# Altium PCB CATS-FAT..PcbDoc (part 1 of 2)
Units mm, origin at the board's own origin, x right, y up, seen from the top; angles counter-clockwise.
Board outline 100 x 33 mm, 4 copper layers (Top Layer, Mid Layer 1, Mid Layer 2, Bottom Layer), stack 1.57 mm thick; 163 components, 100 nets, 630 pads, 225 vias.
Unrouted connection lines stored in the file: 104.
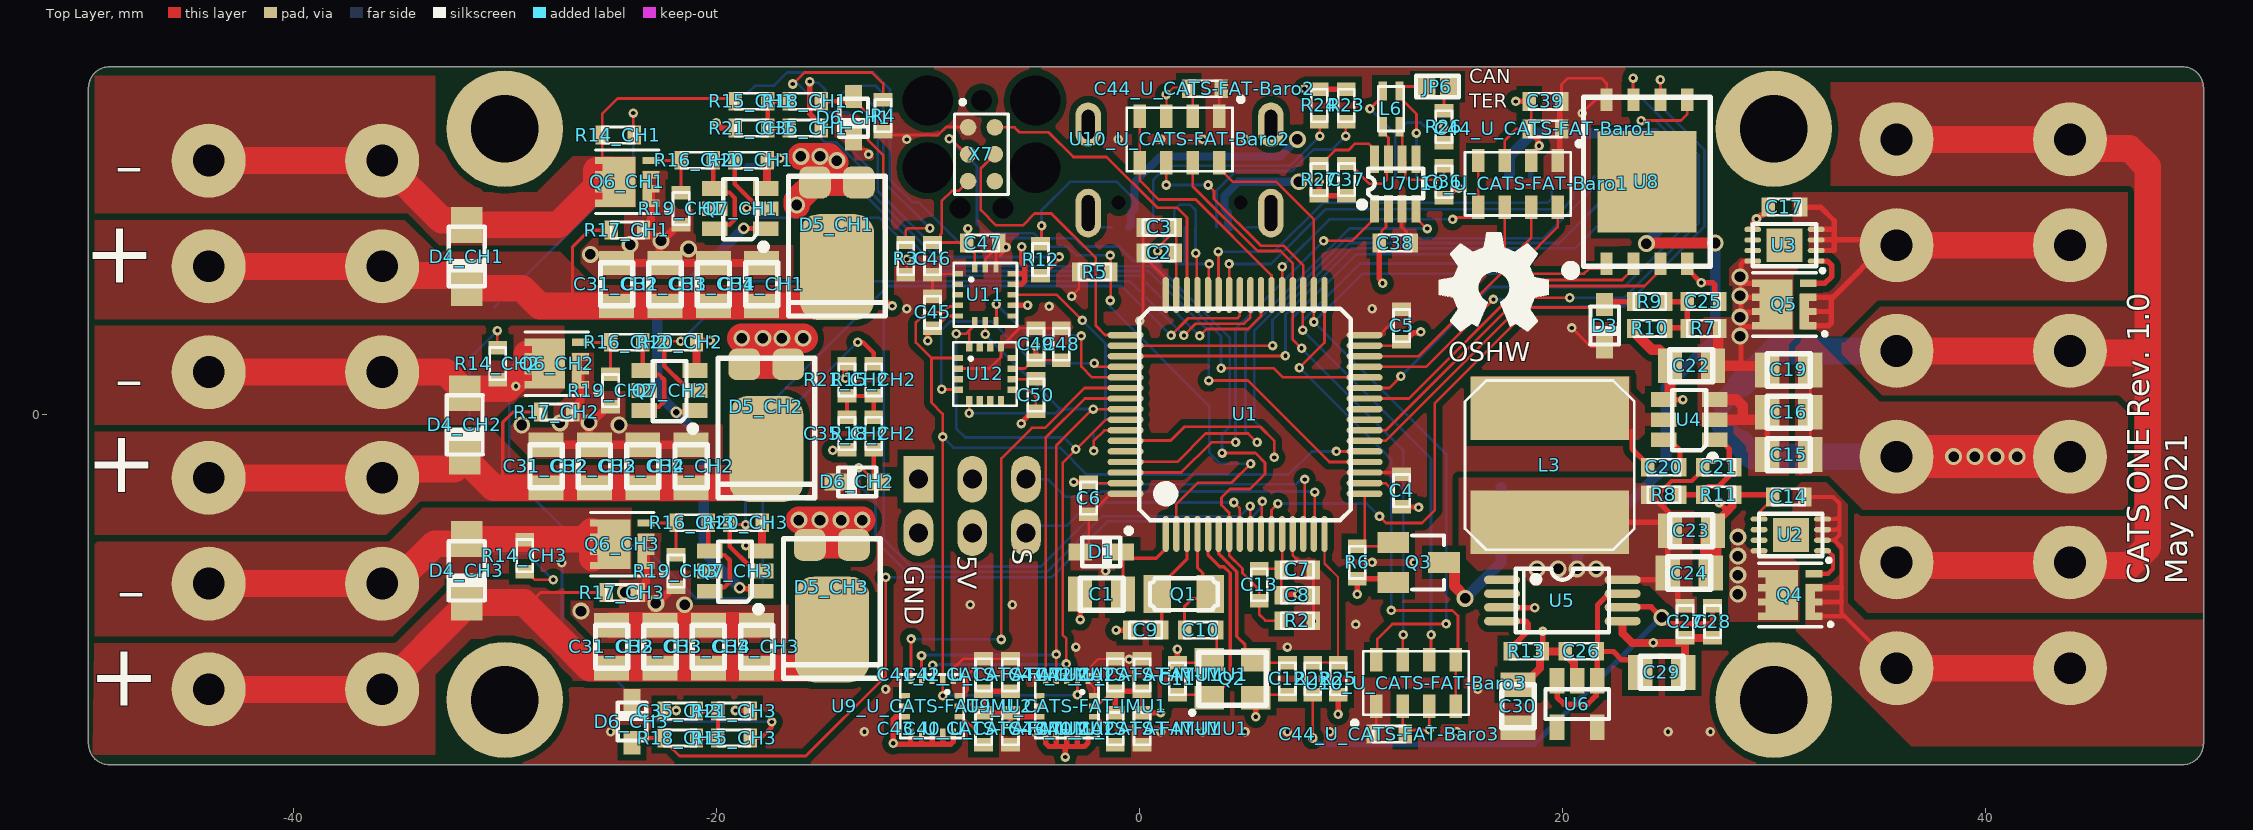
[diagram p0: Top Layer view]
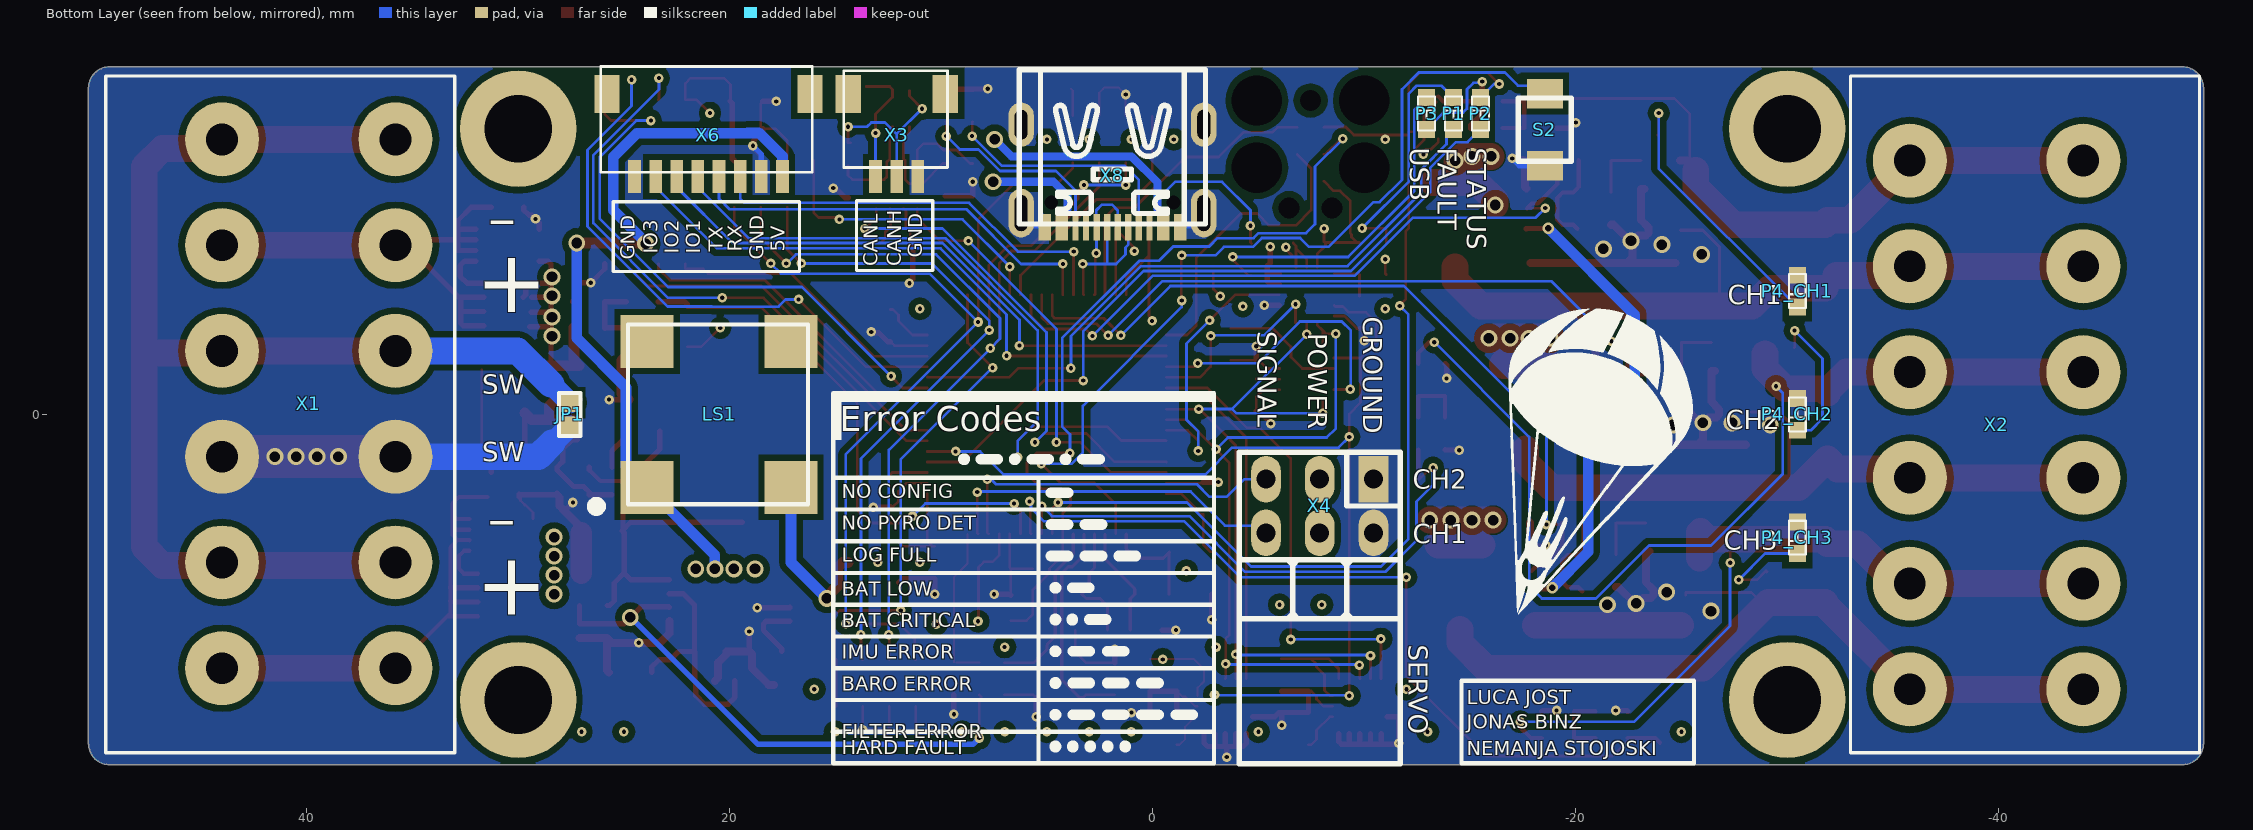
[diagram p1: Bottom Layer view, seen from below]
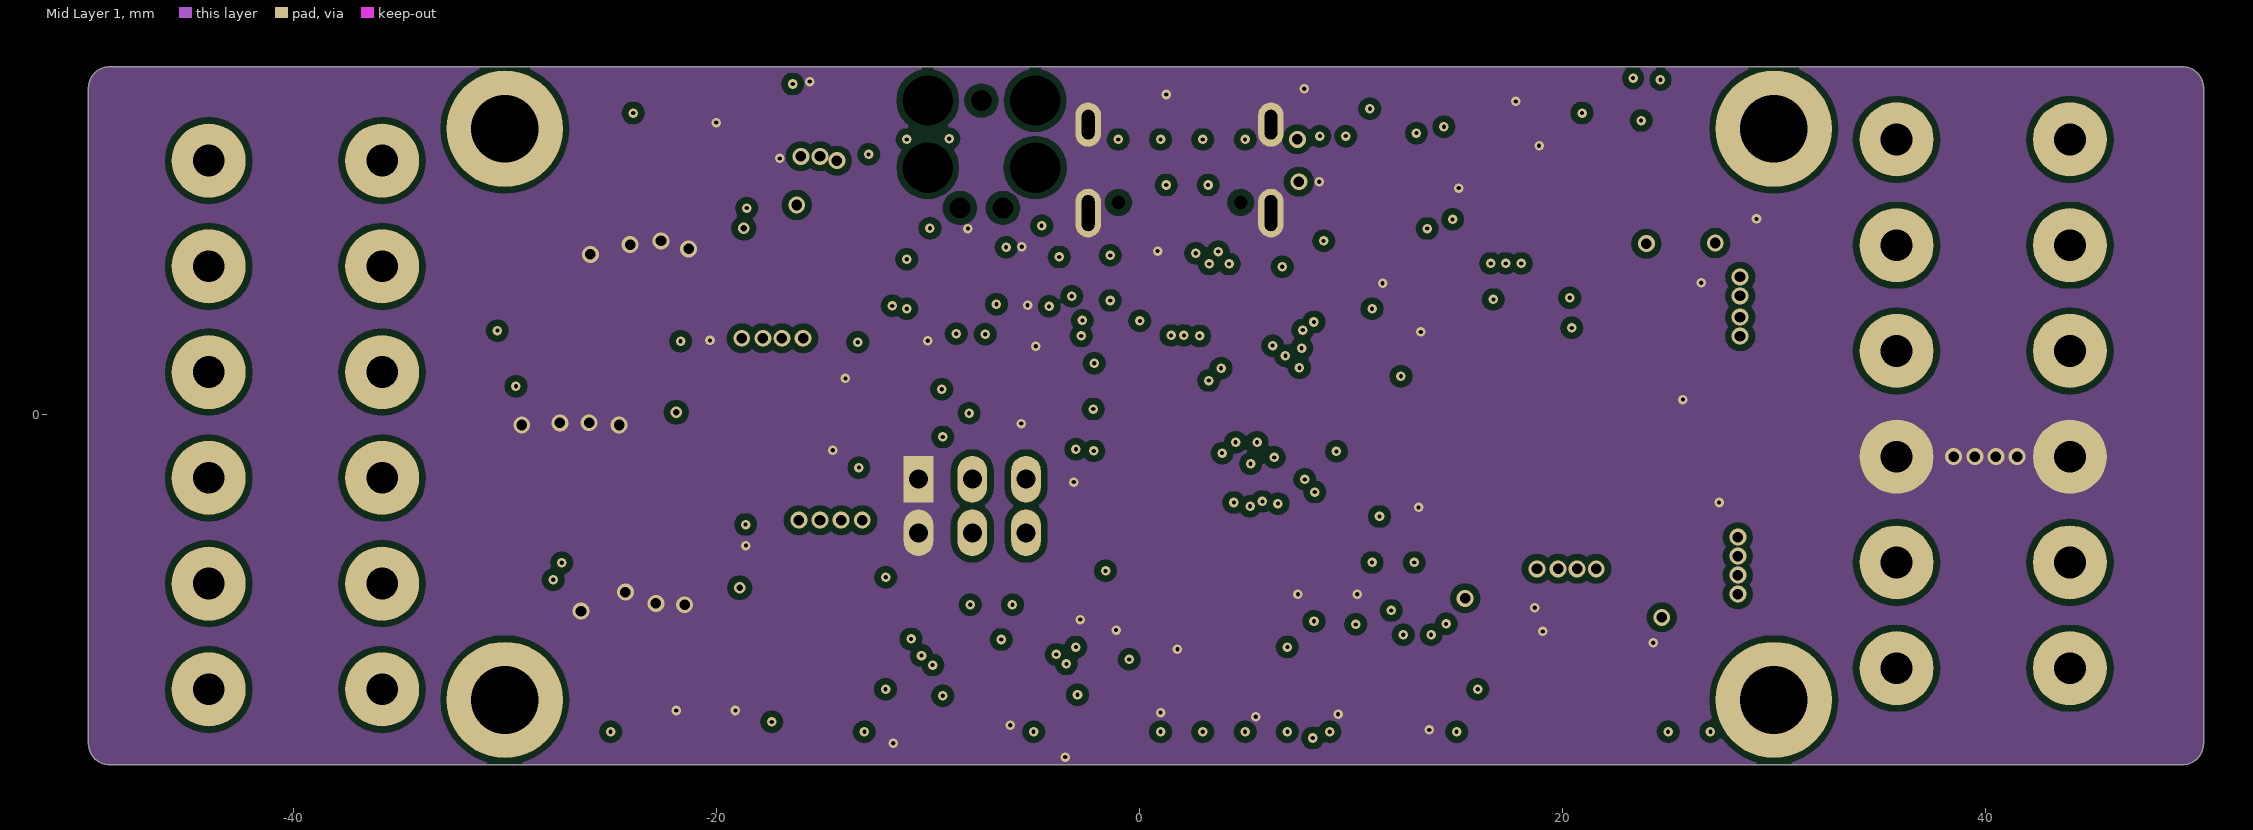
[diagram p2: Mid Layer 1]
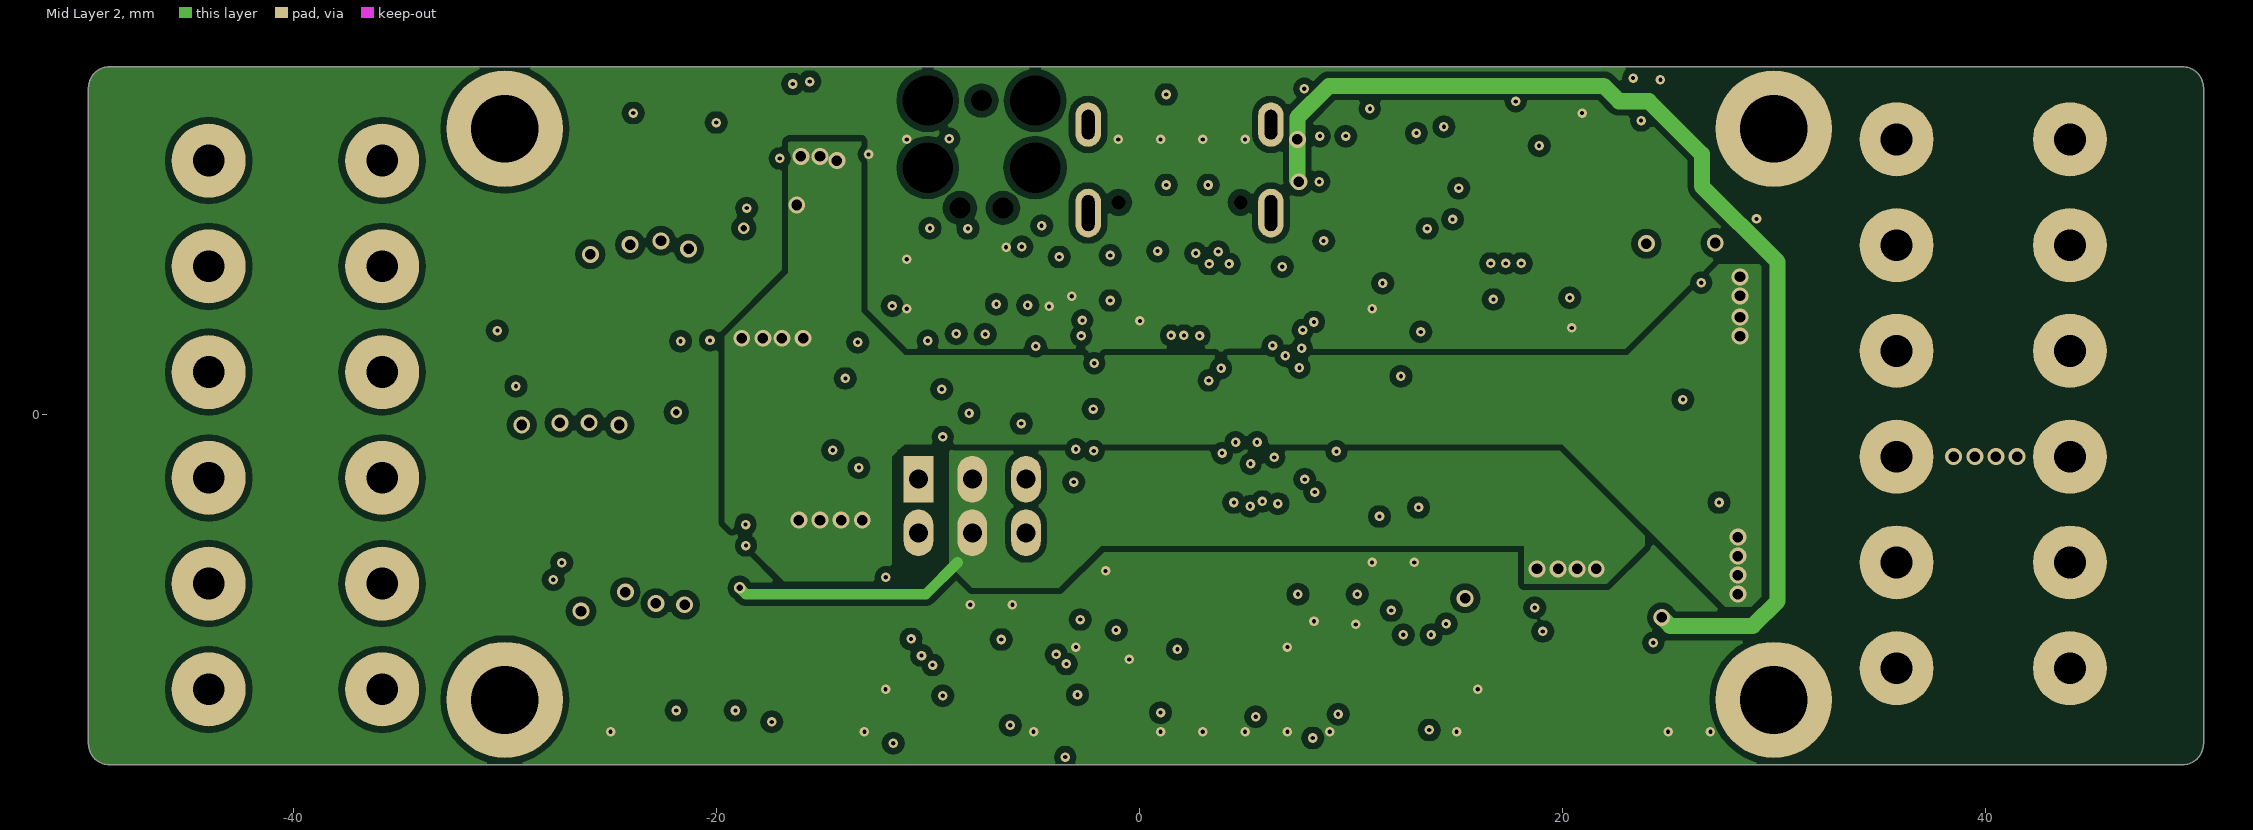
[diagram p3: Mid Layer 2]
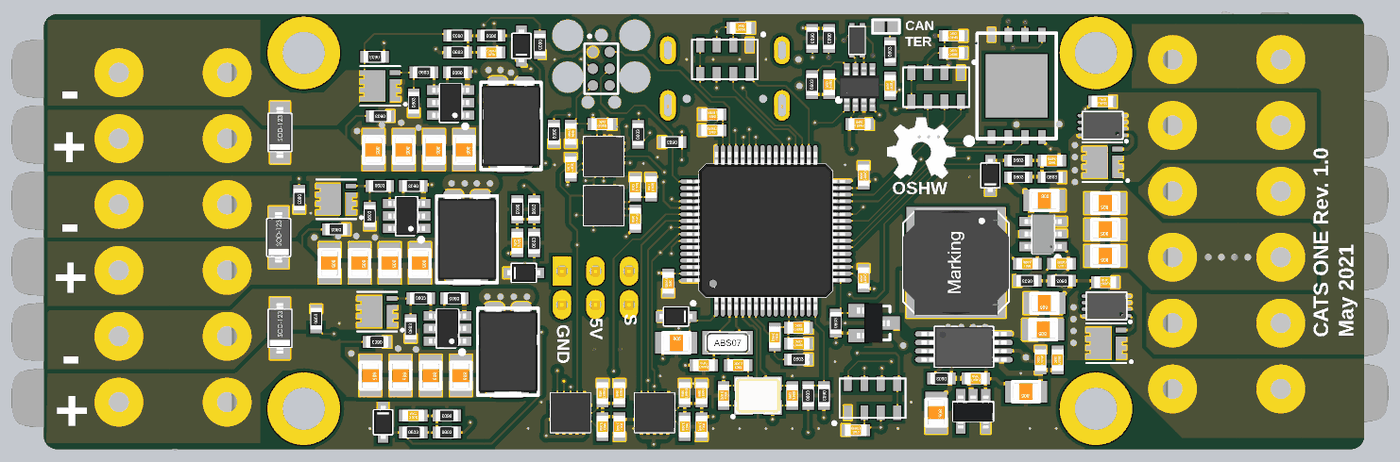
[diagram p5: 3D render of the assembled board from above, using the file's embedded part models]
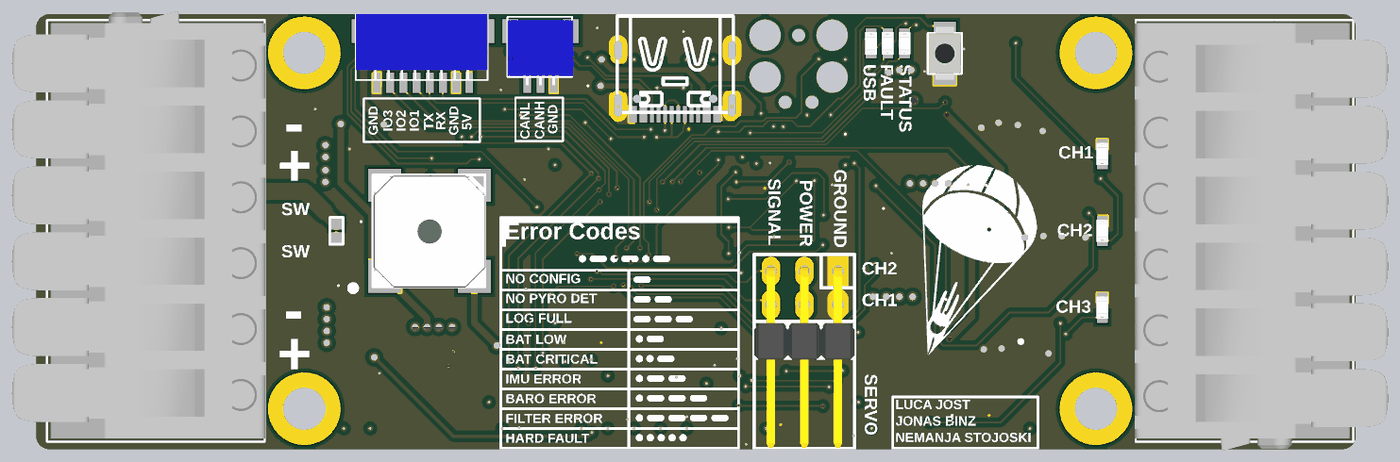
[diagram p6: 3D render of the assembled board from below, using the file's embedded part models]

## Layer stack, top to bottom
Top Solder: solder mask 0.0127, Solder Resist, Dk 3.8
Top Layer: signal copper 0.035
Dielectric 1: prepreg 0.2, 7628, Dk 4.6
Mid Layer 1: signal copper 0.0175
Core: core 1.065, FR-4, Dk 4.5
Mid Layer 2: signal copper 0.0175
Dielectric 2: prepreg 0.2, 7628, Dk 4.6
Bottom Layer: signal copper 0.035
Bottom Solder: solder mask 0.0127, Solder Resist, Dk 3.8

## Board outline
-48.686,-16.566 cw(c-48.686,-15.566) -49.686,-15.566 -49.686,15.434 cw(c-48.686,15.434) -48.686,16.434 49.314,16.434 cw(c49.314,15.434) 50.314,15.434 50.314,-15.566 cw(c49.314,-15.566) 49.314,-16.566

## Design rules (kind name [scope] priority, off if disabled: settings)
Clearance Polygon [InPolygon] p1: gap=0.305 ignorepadtopadclearanceinfootprint=FALSE
Clearance [All] p2: gap=0.102 ignorepadtopadclearanceinfootprint=FALSE except(0.127: Arc-Via Track-Via SMDPad-Via THPad-Via Via-Via Via-Fill Via-Poly Via-Region Via-Text; 0.2: SMDPad-Hole; 0.25: Arc-Hole Track-Hole THPad-Hole Via-Hole Fill-Hole Poly-Hole Region-Hole Text-Hole)
DiffPairsRouting [All] p1: maxlimit=0.102 minlimit=0.102 mostfreqgap=0.102 toplayer_minwidth=0.102 toplayer_maxwidth=1816.048 toplayer_prefwidth=0.102 midlayer1_minwidth=0.102 midlayer1_maxwidth=1816.048 midlayer1_prefwidth=0.102 midlayer2_minwidth=0.102 midlayer2_maxwidth=1816.048 midlayer2_prefwidth=0.102 bottomlayer_minwidth=0.102 bottomlayer_maxwidth=1816.048 bottomlayer_prefwidth=0.102 maxuncoupledlength=12.7
HoleSize [All] p1: absolutevalues=TRUE maxlimit=12.7 minlimit=0.025 maxpercent=80.000 minpercent=20.000
MinimumSolderMaskSliver [All] p1: minsoldermaskwidth=0
PolygonConnect "PolygonConnect 5V" [InNet('5V') vs InNet('5V')] p1: connectstyle=Direct reliefconductorwidth=0.508 reliefentries=4 polygonreliefangle="90 Angle" airgapwidth=0.127
PolygonConnect "PolygonConnect VBAT" [InNet('VBAT') vs InNet('VBAT')] p2: connectstyle=Direct reliefconductorwidth=0.508 reliefentries=4 polygonreliefangle="90 Angle" airgapwidth=0.127
PolygonConnect [All] p3: connectstyle=Direct reliefconductorwidth=0.254 reliefentries=4 polygonreliefangle="90 Angle" airgapwidth=0.127
RoomDefinition CH3 [InComponentClass('CH3')] p1: confinementstyle=ConfineIn formatcopy=TRUE lockcomponents=FALSE outline -33.3,-16.4 -11.8,-16.4 -11.8,-4.36 -33.3,-4.36
RoomDefinition CH2 [InComponentClass('CH2')] p2: confinementstyle=ConfineIn formatcopy=TRUE lockcomponents=FALSE outline -33.4,-4.46 -11.4,-4.46 -11.4,4.176 -33.4,4.176
RoomDefinition CH1 [InComponentClass('CH1')] p3: confinementstyle=ConfineIn formatcopy=TRUE lockcomponents=FALSE outline -33.3,4.141 -11.8,4.141 -11.8,15.965 -33.3,15.965
RoutingVias [All] p1: holewidth=0.2 width=0.45 viastyle="Through Hole" minholewidth=0.2 minwidth=0.45 maxholewidth=6.3 maxwidth=6.55
SilkToSilkClearance [All] p1: silktosilkclearance=0
SilkToSolderMaskClearance [IsPad] p1: minsilkscreentomaskgap=0 clearancetoexposedcopper=TRUE
SolderMaskExpansion [All] p1: expansion=0.102
Width [All] p1: maxlimit=1816.048 minlimit=0.102 preferedwidth=0.102
25 further rules are at their usual default settings.

## Classes and differential pairs
channel class CATS-FAT-Pyro: CH1 CH2 CH3
channel class CATS-FAT-IMU: U_CATS-FAT-IMU1 U_CATS-FAT-IMU2
channel class CATS-FAT-Baro: U_CATS-FAT-Baro1 U_CATS-FAT-Baro2 U_CATS-FAT-Baro3
net class V_PYRO[1..3]: V_PYRO1 V_PYRO2 V_PYRO3
net class PYRO[1..3]: PYRO1 PYRO2 PYRO3
net class PL[1..3]: PL1 PL2 PL3
net class PH[1..3]: PH1 PH2 PH3
component class U_CATS-FAT-USB: R22 R23 R24 R25 X8
component class U_CATS-FAT-Storage: C39 U8
component class U_CATS-FAT-PM: C20 C21 C22 C23 C24 C25 C26 C27 C28 C29 C30 D3 L3 P3 R7 R8 R9 R10 R11 R12 R13 U4 U5 U6
component class U_CATS-FAT-MCU: C1 C2 C3 C4 C5 C6 C7 C8 C9 C10 C11 C12 C13 D1 LS1 P1 P2 Q1 Q2 Q3 R2 R3 R4 R5 R6 S2 U1 X7
component class U_CATS-FAT-Mageto: C48 C49 C50 U12
component class U_CATS-FAT-IMU2: C40_U_CATS-FAT-IMU2 C41_U_CATS-FAT-IMU2 C42_U_CATS-FAT-IMU2 C43_U_CATS-FAT-IMU2 U9_U_CATS-FAT-IMU2
component class U_CATS-FAT-IMU1: C40_U_CATS-FAT-IMU1 C41_U_CATS-FAT-IMU1 C42_U_CATS-FAT-IMU1 C43_U_CATS-FAT-IMU1 U9_U_CATS-FAT-IMU1
component class U_CATS-FAT-CAN: C36 C37 C38 JP6 L6 R26 R27 U7
component class U_CATS-FAT-Battery-Interface: C14 C15 C16 C17 C19 Q4 Q5 U2 U3
component class U_CATS-FAT-Baro3: C44_U_CATS-FAT-Baro3 U10_U_CATS-FAT-Baro3
component class U_CATS-FAT-Baro2: C44_U_CATS-FAT-Baro2 U10_U_CATS-FAT-Baro2
component class U_CATS-FAT-Baro1: C44_U_CATS-FAT-Baro1 U10_U_CATS-FAT-Baro1
component class U_CATS-FAT-Accel: C45 C46 C47 U11
component class CH3: C31_CH3 C32_CH3 C33_CH3 C34_CH3 C35_CH3 D4_CH3 D5_CH3 D6_CH3 P4_CH3 Q6_CH3 Q7_CH3 R14_CH3 R15_CH3 R16_CH3 R17_CH3 R18_CH3 R19_CH3 R20_CH3 R21_CH3
component class CH2: C31_CH2 C32_CH2 C33_CH2 C34_CH2 C35_CH2 D4_CH2 D5_CH2 D6_CH2 P4_CH2 Q6_CH2 Q7_CH2 R14_CH2 R15_CH2 R16_CH2 R17_CH2 R18_CH2 R19_CH2 R20_CH2 R21_CH2
component class CH1: C31_CH1 C32_CH1 C33_CH1 C34_CH1 C35_CH1 D4_CH1 D5_CH1 D6_CH1 P4_CH1 Q6_CH1 Q7_CH1 R14_CH1 R15_CH1 R16_CH1 R17_CH1 R18_CH1 R19_CH1 R20_CH1 R21_CH1
component class CATS-FAT-Overview: JP1 X1 X2 X3 X4 X6
differential pair USB: +USB_P -USB_N

## Components (designator, comment, footprint, x,y, rotation, side; value= is the part's Value field where it differs from the comment)
C1 "47uF" "SMD KERAMIKKONDENSATOR 0805" -1.784,-8.5 r0 top
C2 "4.7uF" "SMD KERAMIKKONDENSATOR 0603" 0.938,7.638 r180 top
C3 "100nF" "SMD KERAMIKKONDENSATOR 0603" 0.938,8.838 r180 top
C4 "100nF" "SMD KERAMIKKONDENSATOR 0603" 12.4,-3.6 r90 top
C5 "100nF" "SMD KERAMIKKONDENSATOR 0603" 12.4,4.2 r90 top
C6 "100nF" "SMD KERAMIKKONDENSATOR 0603" -2.4,-3.962 r270 top
C7 "100nF" "SMD KERAMIKKONDENSATOR 0603" 7.468,-7.354 r0 top
C8 "10nF" "SMD KERAMIKKONDENSATOR 0603" 7.468,-8.554 r0 top
C9 "10pF" "SMD KERAMIKKONDENSATOR 0603" 0.3,-10.2 r0 top
C10 "10pF" "SMD KERAMIKKONDENSATOR 0603" 2.9,-10.2 r180 top
C11 "10pF" "SMD KERAMIKKONDENSATOR 0603" 1.8,-12.5 r270 top
C12 "10pF" "SMD KERAMIKKONDENSATOR 0603" 7,-12.5 r90 top
C13 "100nF" "SMD KERAMIKKONDENSATOR 0603" 5.668,-8.054 r270 top
C14 "100nF" "SMD KERAMIKKONDENSATOR 0603" 30.7,-3.9 r0 top
C15 "22uF" "SMD KERAMIKKONDENSATOR 0805" 30.7,-1.9 r180 top
C16 "22uF" "SMD KERAMIKKONDENSATOR 0805" 30.7,0.1 r180 top
C17 "100nF" "SMD KERAMIKKONDENSATOR 0603" 30.5,9.8 r0 top
C19 "22uF" "SMD KERAMIKKONDENSATOR 0805" 30.7,2.1 r180 top
C20 "100nF" "SMD KERAMIKKONDENSATOR 0603" 24.8,-2.5 r180 top
C21 "47pF" "SMD KERAMIKKONDENSATOR 0603" 27.4,-2.5 r180 top
C22 "22uF" "SMD KERAMIKKONDENSATOR 0805" 26.1,2.3 r0 top
C23 "22uF" "SMD KERAMIKKONDENSATOR 0805" 26.1,-5.5 r180 top
C24 "22uF" "SMD KERAMIKKONDENSATOR 0805" 26,-7.5 r180 top
C25 "10nF" "SMD KERAMIKKONDENSATOR 0603" 26.67,5.334 r180 top
C26 "100nF" "SMD KERAMIKKONDENSATOR 0603" 20.9,-11.2 r0 top
C27 "100nF" "SMD KERAMIKKONDENSATOR 0603" 25.8,-9.8 r90 top
C28 "100nF" "SMD KERAMIKKONDENSATOR 0603" 27.1,-9.8 r90 top
C29 "22uF" "SMD KERAMIKKONDENSATOR 0805" 24.7,-12.2 r180 top
C30 "22uF" "SMD KERAMIKKONDENSATOR 0805" 17.9,-13.8 r270 top
C31_CH1 "22uF" "SMD KERAMIKKONDENSATOR 0805" -24.714,6.147 r270 top (schematic designator C31)
C31_CH2 "22uF" "SMD KERAMIKKONDENSATOR 0805" -28.051,-2.452 r270 top (schematic designator C31)
C31_CH3 "22uF" "SMD KERAMIKKONDENSATOR 0805" -24.951,-10.988 r270 top (schematic designator C31)
C32_CH1 "22uF" "SMD KERAMIKKONDENSATOR 0805" -22.428,6.147 r270 top (schematic designator C32)
C32_CH2 "22uF" "SMD KERAMIKKONDENSATOR 0805" -25.765,-2.452 r270 top (schematic designator C32)
C32_CH3 "22uF" "SMD KERAMIKKONDENSATOR 0805" -22.665,-10.988 r270 top (schematic designator C32)
C33_CH1 "22uF" "SMD KERAMIKKONDENSATOR 0805" -20.142,6.147 r270 top (schematic designator C33)
C33_CH2 "22uF" "SMD KERAMIKKONDENSATOR 0805" -23.479,-2.452 r270 top (schematic designator C33)
C33_CH3 "22uF" "SMD KERAMIKKONDENSATOR 0805" -20.379,-10.988 r270 top (schematic designator C33)
C34_CH1 "22uF" "SMD KERAMIKKONDENSATOR 0805" -17.856,6.147 r270 top (schematic designator C34)
C34_CH2 "22uF" "SMD KERAMIKKONDENSATOR 0805" -21.193,-2.452 r270 top (schematic designator C34)
C34_CH3 "22uF" "SMD KERAMIKKONDENSATOR 0805" -18.093,-10.988 r270 top (schematic designator C34)
C35_CH1 "10nF" "SMD KERAMIKKONDENSATOR 0603" -15.795,13.537 r180 top (schematic designator C35)
C35_CH2 "10nF" "SMD KERAMIKKONDENSATOR 0603" -13.827,-0.904 r90 top (schematic designator C35)
C35_CH3 "10nF" "SMD KERAMIKKONDENSATOR 0603" -21.702,-14.03 r0 top (schematic designator C35)
C36 "47pF" "SMD KERAMIKKONDENSATOR 0603" 14.4,11 r90 top
C37 "47pF" "SMD KERAMIKKONDENSATOR 0603" 9.8,11.1 r90 top
C38 "100nF" "SMD KERAMIKKONDENSATOR 0603" 12.1,8.1 r0 top
C39 "100nF" "SMD KERAMIKKONDENSATOR 0603" 19.2,14.8 r0 top
C40_U_CATS-FAT-IMU1 "100nF" "SMD KERAMIKKONDENSATOR 0603" 0.127,-14.859 r270 top (schematic designator C40)
C40_U_CATS-FAT-IMU2 "100nF" "SMD KERAMIKKONDENSATOR 0603" -6.096,-14.859 r270 top (schematic designator C40)
C41_U_CATS-FAT-IMU1 "2.2uF" "SMD KERAMIKKONDENSATOR 0603" -1.143,-12.319 r90 top (schematic designator C41)
C41_U_CATS-FAT-IMU2 "2.2uF" "SMD KERAMIKKONDENSATOR 0603" -7.366,-12.319 r90 top (schematic designator C41)
C42_U_CATS-FAT-IMU1 "10nF" "SMD KERAMIKKONDENSATOR 0603" 0.127,-12.319 r90 top (schematic designator C42)
C42_U_CATS-FAT-IMU2 "10nF" "SMD KERAMIKKONDENSATOR 0603" -6.096,-12.319 r90 top (schematic designator C42)
C43_U_CATS-FAT-IMU1 "470nF" "SMD KERAMIKKONDENSATOR 0603" -1.143,-14.859 r270 top (schematic designator C43)
C43_U_CATS-FAT-IMU2 "470nF" "SMD KERAMIKKONDENSATOR 0603" -7.366,-14.859 r270 top (schematic designator C43)
C44_U_CATS-FAT-Baro1 "100nF" "SMD KERAMIKKONDENSATOR 0603" 19.2,13.5 r0 top (schematic designator C44)
C44_U_CATS-FAT-Baro2 "100nF" "SMD KERAMIKKONDENSATOR 0603" 3.1,15.4 r0 top (schematic designator C44)
C44_U_CATS-FAT-Baro3 "100nF" "SMD KERAMIKKONDENSATOR 0603" 11.811,-15.113 r180 top (schematic designator C44)
C45 "100nF" "SMD KERAMIKKONDENSATOR 0603" -9.779,4.826 r90 top
C46 "4.7uF" "SMD KERAMIKKONDENSATOR 0603" -9.779,7.366 r270 top
C47 "100nF" "SMD KERAMIKKONDENSATOR 0603" -7.408,8.1 r0 top
C48 "100nF" "SMD KERAMIKKONDENSATOR 0603" -3.692,3.316 r90 top
C49 "100nF" "SMD KERAMIKKONDENSATOR 0603" -4.892,3.316 r90 top
C50 "10nF" "SMD KERAMIKKONDENSATOR 0603" -4.892,0.916 r90 top
D1 "B0530WSRRGCT" "SMD DIODE SOD-323F" -1.8,-6.5 r0 top
D3 "B0530WSRRGCT" "SMD DIODE SOD-323F" 22,4.2 r270 top
D4_CH1 "PMEG4030ER,115" "SMD DIODE SOD-123" -31.8,7.465 r270 top (schematic designator D4)
D4_CH2 "PMEG4030ER,115" "SMD DIODE SOD-123" -31.9,-0.5 r270 top (schematic designator D4)
D4_CH3 "PMEG4030ER,115" "SMD DIODE SOD-123" -31.8,-7.4 r270 top (schematic designator D4)
D5_CH1 "MBR15U60-TP" "SMD DIODE TO-277" -14.3,8.965 r270 top (schematic designator D5)
D5_CH2 "MBR15U60-TP" "SMD DIODE TO-277" -17.637,0.366 r270 top (schematic designator D5)
D5_CH3 "MBR15U60-TP" "SMD DIODE TO-277" -14.537,-8.17 r270 top (schematic designator D5)